# KiCad board AMC_FMC_Carrier-PcbDoc.kicad_pcb (continued)
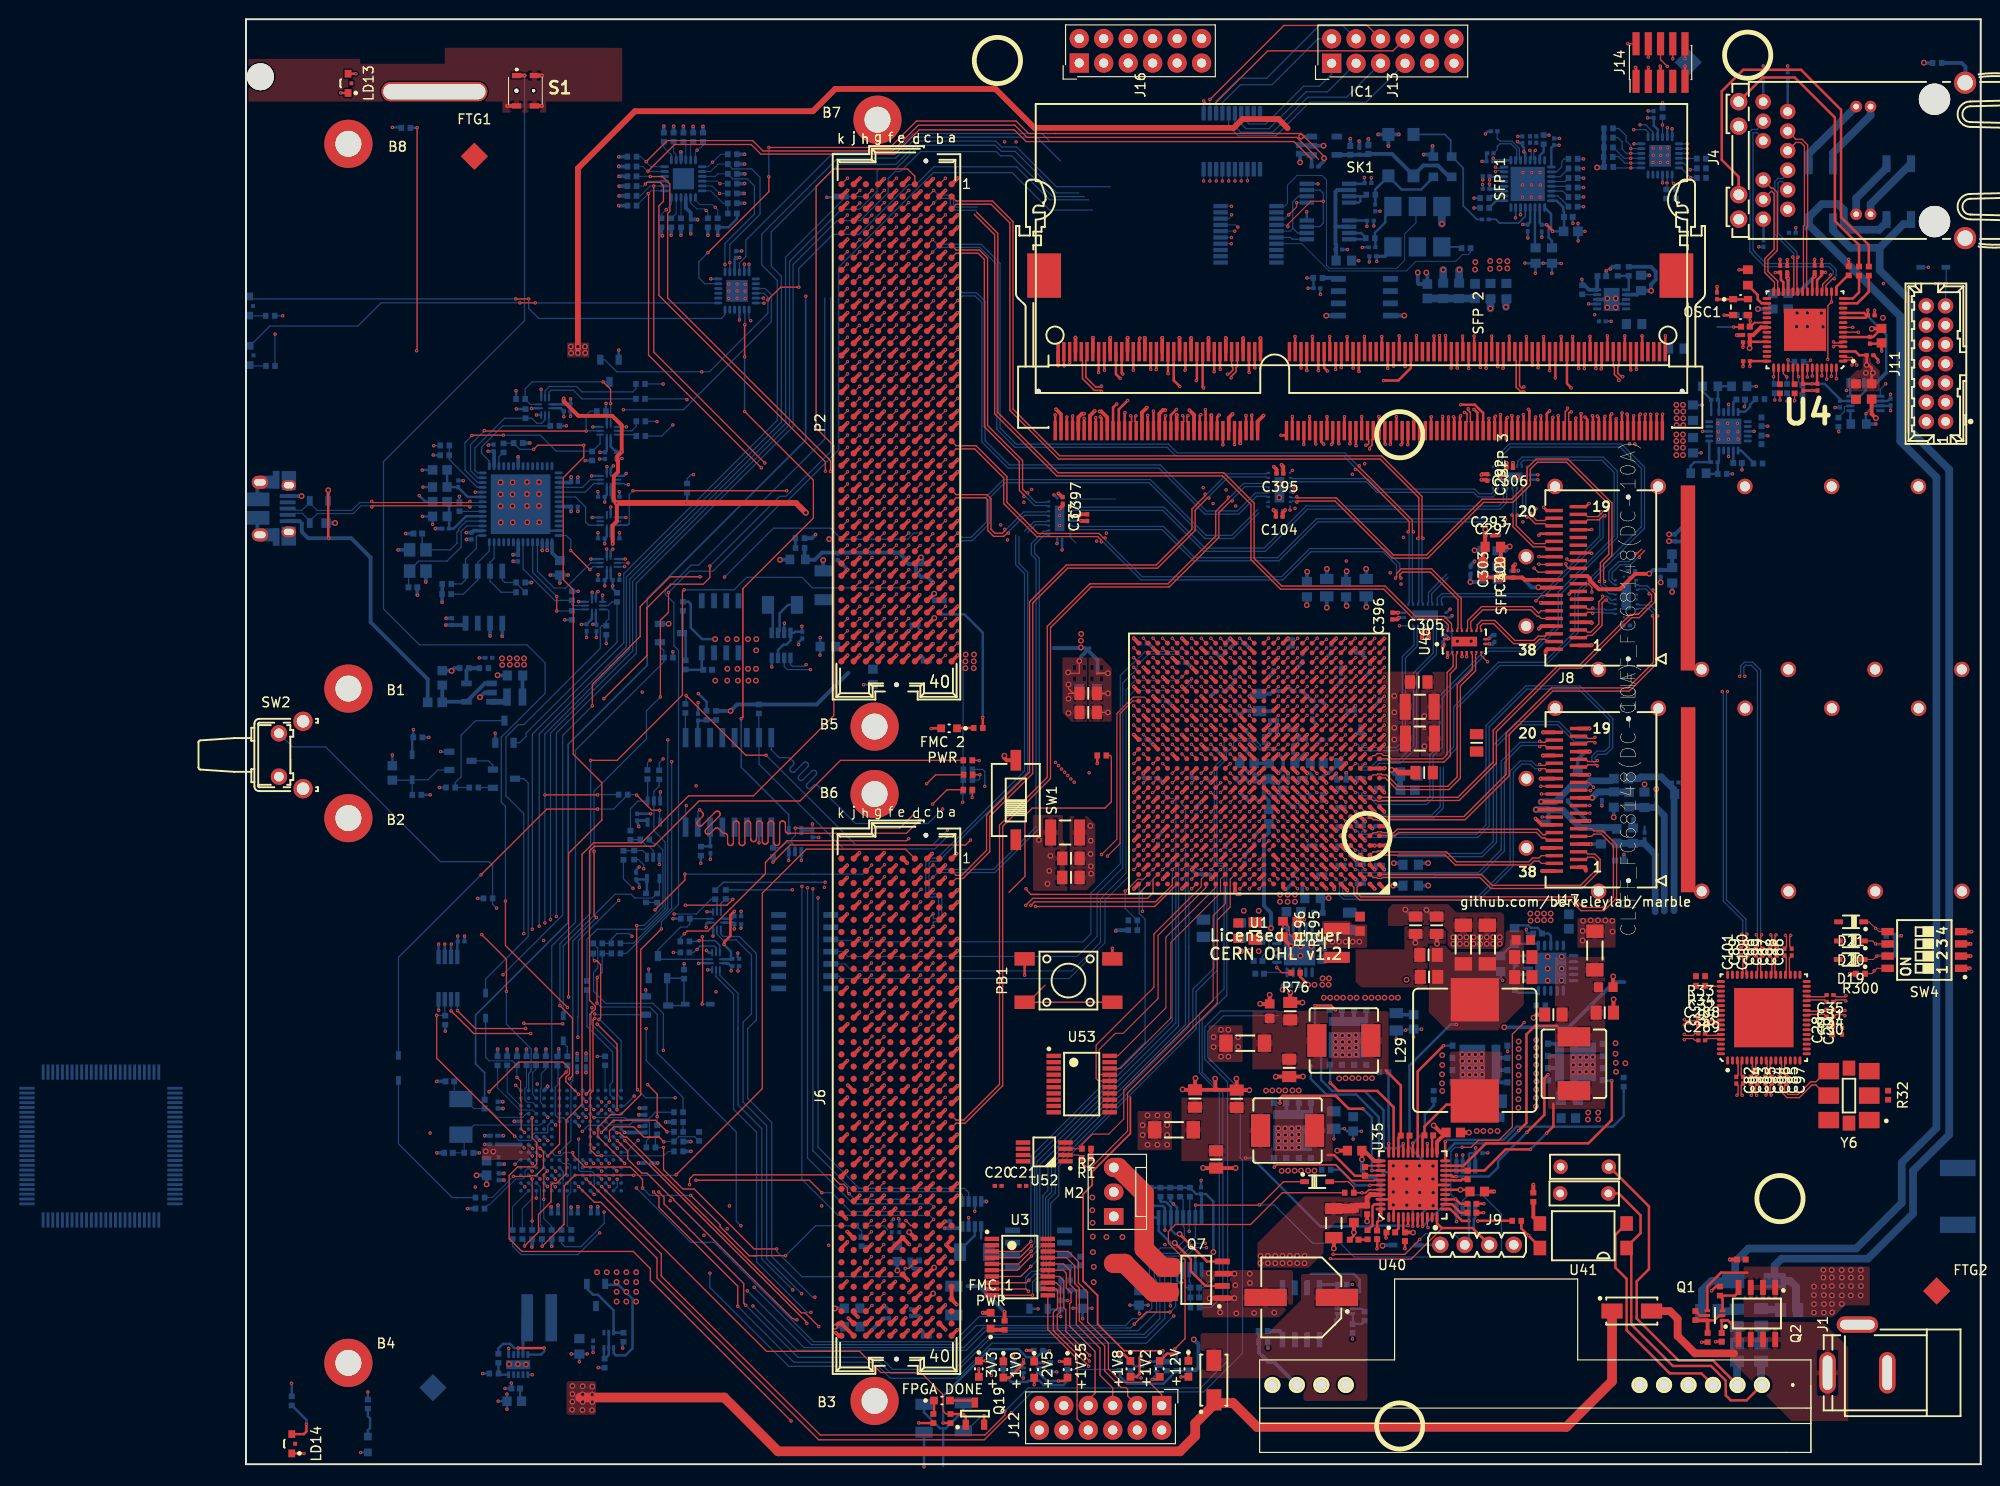
[diagram p0: board, top side]
## Routing (per net, layer and track width the routed paths; a pad name or vN(x,y) marks a point on that pad's centre or on a via; arc(x,y) is an arc through that point) (continued)
/FPGA/FPGA_PWR&MISC/FPGA_INIT: length 3.8
  Top w0.127: U1.G7 111.62,66.22 v1(112.09,65.75)
  In9.Cu w0.127: 76.83,70.2 v1(76.65,70.37)
  Bottom w0.13: v1(76.65,70.37) 76.65,71.92 76.45,72.13 R282.1
/FPGA/FPGA_REF_CLK0_N: length 2.6
  Top w0.13: C96.2 158.15,39.33 158.15,38.43 v1(158.26,38.32)
  Bottom w0.112: U20.5 133.33,135.45
  Bottom w0.13: U20.5 133.36,135.48 133.36,136.24 v1(133.21,136.39)
/FPGA/FPGA_REF_CLK0_P: length 2.6
  Top w0.13: C84.2 157.82,39.33 157.82,38.43 v1(157.71,38.32)
  Bottom w0.112: U20.6 133.66,135.45
  Bottom w0.13: v1(133.78,136.39) 133.63,136.24 133.63,135.48 U20.6
/FPGA/FPGA_REF_CLK1_N: length 4.5
  Bottom w0.112: R61.2 129.82,136.46 129.82,136.82
  Bottom w0.13: 129.82,136.82 129.87,136.82 130.12,137.08 131.26,137.08 131.86,136.47 131.86,135.48 U20.2
/FPGA/FPGA_REF_CLK1_P: length 4.8
  Bottom w0.112: 129.84,138.34 129.82,138.31 129.82,137.6
  Bottom w0.13: U20.3 132.13,135.48 132.13,136.58 131.37,137.35 130.14,137.35 129.89,137.6 129.82,137.6
/FPGA/FPGA_RESETn: length 13.3
  Top w0.102: 42.87,33.95 42.64,33.95
  Top w0.127: v1(37.72,33.59) 37.72,34.59 38.15,35.02 40.23,35.02 41.3,33.95 41.63,33.95 ; 41.63,33.95 42.87,33.95 v1(43.35,33.47) ; 41.63,33.95 42.64,33.95
  Bottom w0.102: v1(43.35,33.47) 43.38,33.49 R142.1
  Bottom w0.127: v1(37.72,33.59) 37.33,33.98 37.33,33.99 ; R159.2 46.99,33.56 46.56,33.99 44.89,33.99 44.41,33.51 R142.1
/FPGA/FPGA_TCK: length 67.7
  Top w0.102: U1.L8 v1(111.12,69.73)
  In2.Cu w0.127: v1(56.69,59.63) 57.91,58.41 59.97,58.41 61.03,59.48 61.03,62.45 62.39,63.81 71.15,63.81 ; v1(111.12,69.73) 110.74,70.11 94,70.11 93.98,70.08 93.57,70.08 93.53,70.12 86.62,70.12 v1(85.94,70.8)
  In4.Cu w0.127: 73.14,64.28 74.7,65.85 75.73,65.85 78.62,68.74 83.88,68.74 v1(85.94,70.8)
  Bottom w0.15: R229.1 56.68,59.62 v1(56.69,59.63)
/FPGA/FPGA_TDI: length 68.2
  Top w0.102: U1.R6 v1(113.12,74.73)
  In2.Cu w0.127: v1(113.12,74.73) 112.62,74.73 111.24,73.35 109.97,73.35 108.99,72.36 100.9,72.36 100.63,72.1 97.3,72.1 97.28,72.12 91.64,72.12 91.64,72.12 85.22,72.12 v1(84.94,71.84) ; v1(60.09,60.42) 60.09,62.8 62.99,65.7 67.18,65.7
  In4.Cu w0.127: 70.49,69.06 71.47,70.03 83.14,70.03 v1(84.94,71.84)
  Bottom w0.15: R215.1 48.71,59.59 49.52,60.4 58.94,60.4 ; 58.94,60.4 60.08,60.4 v1(60.09,60.42) ; 58.94,60.4 59.05,60.4
/FPGA/FPGA_TDO: length 77.2
  Top w0.102: U1.R7 v1(112.12,74.73)
  In2.Cu w0.127: v1(112.12,74.73) 111.49,74.1 109.98,74.1 108.98,73.1 101.12,73.1 100.39,72.36 84.85,72.36 84.65,72.16 v1(84.63,72.16) ; 66.98,66.51 62.74,66.51 59.69,63.47 59.69,60.21 v1(60.02,59.88)
  In4.Cu w0.102: v1(44.35,53.13) 44.9,52.57 52.62,52.57 59.12,59.06 59.12,59.23 59.77,59.88 v1(60.02,59.88)
  In4.Cu w0.127: 69.95,69.18 71.52,70.74 83.21,70.74 v1(84.63,72.16)
  Bottom w0.102: R216.1 v1(44.35,53.13)
/FPGA/FPGA_TMS: length 70.6
  Top w0.127: 53.59,61 53.77,61.18 ; 53.59,61 53.9,61.31 53.9,62.47 56.15,64.72 68.54,64.72 v1(68.75,64.94) ; 53.59,61 47.94,55.35 45.78,55.35 v1(45.48,55.06) ; U1.N8 110.62,72.23 v1(111.13,71.72)
  In2.Cu w0.127: v1(85.58,71.14) 86.36,71.14 87.13,70.36 93.83,70.36 93.86,70.34 94.68,70.34 94.69,70.35 94.66,70.36 99.3,70.36 99.31,70.38 101.31,70.38 101.5,70.57 101.5,70.77 101.86,71.14 110.3,71.14 110.88,71.72 v1(111.13,71.72) ; 68.75,64.99 v1(68.75,64.94)
  In4.Cu w0.127: 72.87,68.27 75.88,68.27 76.84,69.23 83.67,69.23 v1(85.58,71.14)
  Bottom w0.127: R228.1 45.07,54.65 v1(45.48,55.06)
/FPGA/FPGA_XR_GPIO_0: length 1.1
  Top w0.127: U35.9 122.58,24.63 v1(122.65,24.56)
/FPGA/I2C_APP_SCL: length 185.6
  In2.Cu w0.127: v1(58.82,59.73) 58.82,64.96 59.11,65.25 59.11,67.19 58.13,68.18 v1(58.13,83.01) 58.13,92.43 55.14,95.42 55.14,120.7 52.82,123.03 51.22,123.03 v1(49.7,124.54) 49.7,125.56 53.86,129.72 53.86,129.95 58.65,134.74 67.82,134.74 70.36,137.28 76.83,137.28 78.1,136.01 91.54,136.01 92.38,136.85
  Bottom w0.102: R57.1 48.94,133.95 48.69,133.69 U5.15
  Bottom w0.127: 49.7,124.66 49.7,126.73 52.75,129.78 52.75,132.71 52.02,133.43 50.49,133.43 50,133.93 R57.1 ; 49.7,124.66 v1(49.7,124.54) ; 49.7,124.66 U39.19 ; U34.19 145.48,138.3 145.24,138.54 v1(143.99,138.54) ; v1(58.13,83.01) 57.95,82.83 56.69,82.83 56.5,83.03 U32.5 ; v1(58.82,59.73) 58.82,32.55 63.08,28.3 73.99,28.3 74.33,27.95 U17.5
/FPGA/I2C_APP_SDA: length 188.7
  In2.Cu w0.127: 92.48,136.42 91.74,135.68 77.49,135.68 76.25,136.92 70.58,136.92 68.02,134.36 59.48,134.36 54.4,129.28 54.07,129.28 50.2,125.4 v1(50.2,124.73) 51.56,123.37 53.11,123.37 55.53,120.95 55.53,95.6 58.57,92.56 v1(58.57,82.49) 60.17,80.89 60.17,64.74 59.36,63.92 v1(59.36,58.8)
  Bottom w0.102: R75.1 48.97,134.97 48.19,134.19 U5.14
  Bottom w0.127: U34.20 145.98,138.3 145.23,139.05 v1(144.65,139.05) ; U17.6 74.98,28.19 74.53,28.64 63.62,28.64 59.36,32.91 v1(59.36,58.8) ; 50.2,124.28 U39.20 v1(50.2,124.73) 50.2,126.62 53.34,129.76 53.34,133.59 52.47,134.47 50.48,134.47 50,134.95 R75.1 ; U32.6 55.85,82.81 56.17,82.49 v1(58.57,82.49)
/FPGA/I2C_CLKMUX_SCL: length 77
  Top w0.127: v1(41.53,135.22) 43.71,137.4 52.58,137.4 53.65,136.33 67.09,136.33 69.77,139 79.78,139 81.05,137.73 109.03,137.73 111.29,135.47
  Bottom w0.102: R49.1 40.97,135.73 42,134.69 U5.6
/FPGA/I2C_CLKMUX_SDA: length 75.8
  Top w0.127: v1(41.7,134.23) 44.47,137 52.42,137 53.41,136.01 67.33,136.01 69.85,138.52 79.73,138.52 80.95,137.3 108.73,137.3 110.55,135.49
  Bottom w0.102: U5.5 41.69,134.19 41.17,134.71 R50.1
/FPGA/I2C_FPGA_SCL: length 100.1
  GND5.Cu w0.127: 38.71,72.84 38.71,71.92 38.67,71.88 v1(38.67,58.54) ; 38.71,72.84 38.71,76.09 42.09,79.47 42.09,115.36 ; 38.71,72.84 38.71,72.38 ; v1(34.44,44.31) 34.47,44.31 v1(36.45,42.33) ; v1(48.69,130.47) 48.69,127.84 48.6,127.75 48.6,125 42.09,118.48 42.09,115.36 ; 42.09,115.36 42.09,115.28
  Bottom w0.102: U5.19 46.64,131.23 47.12,130.75 48.41,130.75 v1(48.69,130.47) 48.94,130.22 R39.2
  Bottom w0.127: v1(38.67,58.54) 34.49,54.36 34.49,46.55 34.44,46.5 v1(34.44,44.31) ; v1(36.45,42.33) 36.46,42.35 R136.1
/FPGA/I2C_FPGA_SDA: length 104
  GND5.Cu w0.127: 41.6,115.33 41.6,118.84 47.23,124.46 47.23,129.37 47.75,129.89 v1(47.75,130.14) ; 41.6,115.33 41.6,115.23 ; 41.6,115.33 41.6,79.77 38.28,76.44 38.28,48.48 v1(41.53,45.23)
  Bottom w0.102: U5.20 46.14,130.94 46.76,130.32 47.57,130.32 47.93,129.96 R40.2
  Bottom w0.127: R135.1 45.35,38.08 41.53,41.9 v1(41.53,45.23) ; 47.8,130.09 v1(47.75,130.14)
/FPGA/I2C_FPGA_SW_RST: length 130.3
  In2.Cu w0.127: v1(41.12,80.15) 44.76,76.51 44.76,47.83 47.52,45.08 v1(47.52,23.76)
  In4.Cu w0.127: v1(47.52,23.76) 47.55,23.74 61.24,23.74 63.87,21.11
  GND5.Cu w0.127: v1(43.61,130.24) 43.61,122.04 40.97,119.4 40.97,80.31 v1(41.12,80.15)
  Bottom w0.102: R41.2 43.1,129.73 v1(43.61,130.24) 44.14,130.77 U5.24
/FPGA/I2C_HDMI_SCL: length 3
  Bottom w0.102: R83.1 v1(49.15,131.92) 48.37,132.69 U5.17
/FPGA/I2C_HDMI_SDA: length 2.8
  Bottom w0.102: R91.1 v1(49.18,132.93) 49.18,132.95 48.94,133.19 U5.16
/FPGA/PROG_B: length 62.9
  Top w0.102: U1.P6 v1(113.12,73.73)
  Top w0.127: PB1.2 PB1.1 81.14,47.96 82.9,49.72 ; 79.17,59.38 80.82,61.03 80.82,67.35 81.59,68.11 89.13,68.11 89.79,68.77 89.79,73.47 89.69,73.57 R160.2
  In2.Cu w0.127: v1(87.48,71.78) 87.52,71.74 90.5,71.74 90.88,71.36 100.49,71.36 101.23,72.1 109.18,72.1 110.1,73.02 112.41,73.02 v1(113.12,73.73)
/FPGA/QSFP1_INT: length 78.1
  Top w0.127: v1(134.41,69.59) 134.43,69.57 J17.28
  In7.Cu w0.127: v1(134.41,69.59) 134.66,69.59 135.73,70.66 135.73,73.96 140.05,78.27 140.92,78.27 149.4,86.76 149.4,95.44 153.14,99.18 153.14,108.57 153.03,108.67 153.03,125.77 150.29,128.51 150.29,133.95 v1(149.86,134.38)
  Bottom w0.127: R304.1 150.41,134.38 v1(149.86,134.38) 149.17,135.07 U34.5
/FPGA/QSFP1_LPMODE: length 86.1
  Top w0.102: J17.31 134.51,67.17 v1(134.5,67.18)
  In7.Cu w0.127: v1(134.5,67.18) 139.56,67.18 140.23,67.85 140.23,70.81 141.7,72.28 141.7,73.24 145.21,76.75 145.21,79.37 151.2,85.36 151.2,93.72 154.33,96.84 154.33,102.07 154.66,102.4 154.66,105.2 155.16,105.7 155.16,109.01 154.99,109.18 154.99,116.99 155.04,117.04 155.04,118.31 154.53,118.81 154.53,126.89 151.86,129.56 151.86,134.46 150.77,135.56 v1(149.58,135.56)
  Bottom w0.127: U34.4 149.56,135.57 v1(149.58,135.56) 150.52,135.56 R305.1
/FPGA/QSFP1_MOD_PRS: length 75.8
  Top w0.127: J17.27 v1(134.36,70.37)
  In7.Cu w0.127: v1(134.36,70.37) 134.61,70.37 135.35,71.12 135.35,74.08 139.9,78.63 140.59,78.63 148.97,87.01 148.97,95.65 152.19,98.87 152.19,125.82 149.91,128.11 v1(149.91,133.57)
  Bottom w0.127: R303.1 150.52,133.57 v1(149.91,133.57) 148.91,134.57 U34.6
/FPGA/QSFP1_MOD_SEL: length 83.2
  Top w0.127: v1(139.45,67.58) 139.45,67.57 J17.8
  In7.Cu w0.127: v1(147.44,133.01) 147.44,134 148.18,134.74 150.29,134.74 150.8,134.23 150.8,128.77 153.72,125.85 153.72,113.22 153.49,112.99 153.49,108.42 153.41,108.34 153.41,106.85 153.47,106.79 153.47,98.43 149.7,94.66 149.7,86.3 141.09,77.69 140.13,77.69 138.22,75.78 138.22,68.56 139.2,67.58 v1(139.45,67.58)
  Bottom w0.127: U34.8 147.48,133.05 v1(147.44,133.01) 147.44,132.4 R301.2
/FPGA/QSFP1_RST: length 85.8
  Top w0.127: J17.9 139.44,68.37 v1(139.44,68.38)
  In7.Cu w0.127: v1(139.44,68.38) 139.19,68.38 138.91,68.66 138.91,75.38 140.46,76.93 141.15,76.93 150.54,86.33 150.54,94.55 153.84,97.86 153.84,103.88 154.17,104.2 154.17,106.23 154.38,106.44 154.38,117.02 154.03,117.37 154.03,119.55 154.02,119.55 154.02,126.3 151.25,129.07 151.25,134.43 150.57,135.12 148,135.12 146.61,133.72 146.61,132.71 146.89,132.43 147.6,132.43 v1(148.13,132.96)
  Bottom w0.127: U34.7 147.98,133.11 v1(148.13,132.96) 148.13,132.57 R302.2
/FPGA/QSFP1_RX_0_N: length 35.9
  Top w0.127: U1.E3 v1(116.12,63.73)
  Top w0.13: J17.18 138.99,75.57 139.23,75.34 139.86,75.34 v1(139.97,75.45)
  Bottom w0.13: 119.62,63.4 128.16,63.4 129.42,64.67 129.42,74.64 131.88,77.1 136.22,77.1 137.97,75.34 139.86,75.34 v1(139.97,75.45) ; 116.12,63.73 115.85,63.73 115.78,63.67 115.78,63.51 115.89,63.4
/FPGA/QSFP1_RX_0_P: length 36.4
  Top w0.127: U1.E4 v1(115.12,63.73)
  Top w0.13: v1(139.97,74.9) 139.86,75.01 139.23,75.01 138.99,74.77 J17.17
  Bottom w0.13: 119.49,63.07 128.29,63.07 129.75,64.53 129.75,74.5 132.02,76.77 136.08,76.77 137.84,75.01 139.86,75.01 v1(139.97,74.9) ; 115.12,63.73 115.38,63.73 115.45,63.66 115.45,63.37 115.76,63.07
/FPGA/QSFP1_RX_1_N: length 32.4
  Top w0.127: U1.C3 v1(116.12,61.73)
  Top w0.13: v1(134.24,75.05) 134.35,74.94 134.8,74.94 135.03,75.17 J17.21
  Bottom w0.13: v1(134.24,75.05) 134.13,74.94 132.2,74.94 130.25,72.99 130.25,63.79 127.88,61.43 123.28,61.43 123.25,61.39 115.88,61.39 115.77,61.5 115.77,61.66 115.84,61.73 116.11,61.73
/FPGA/QSFP1_RX_1_P: length 33
  Top w0.127: U1.C4 v1(115.12,61.73)
  Top w0.13: v1(134.24,74.5) 134.35,74.61 134.8,74.61 135.03,74.37 J17.22
  Bottom w0.13: v1(134.24,74.5) 134.13,74.61 132.33,74.61 130.57,72.85 130.57,63.65 128.02,61.1 123.42,61.1 123.39,61.06 115.74,61.06 115.44,61.37 115.44,61.65 115.37,61.73 115.11,61.73
/FPGA/QSFP1_RX_2_N: length 36.3
  Top w0.127: U1.B5 v1(114.12,60.73)
  Top w0.13: J17.24 135.03,72.77 134.8,72.54 134.35,72.54 v1(134.24,72.65)
  Bottom w0.13: v1(134.24,72.65) 134.13,72.54 133.86,72.54 133.4,73 132.22,73 131.16,71.95 131.16,62.25 127.9,58.98 114.01,58.98 113.78,59.21 113.78,60.4 v1(114.12,60.73)
/FPGA/QSFP1_RX_2_P: length 36.8
  Top w0.127: U1.B6 v1(113.12,60.73)
  Top w0.13: v1(134.24,72.1) 134.35,72.21 134.8,72.21 135.03,71.97 J17.25
  Bottom w0.13: v1(134.24,72.1) 134.13,72.21 133.72,72.21 133.26,72.67 132.35,72.67 131.5,71.81 131.5,62.11 128.04,58.65 113.88,58.65 113.45,59.07 113.45,60.4 v1(113.12,60.73)
/FPGA/QSFP1_RX_3_N: length 49
  Top w0.13: J17.15 138.99,73.17 139.23,72.94 140.12,72.94 v1(140.23,73.05) ; U1.G3 v1(116.12,65.73)
  Bottom w0.13: v1(140.23,73.05) 140.14,73.05 139.98,73.21 139.98,73.35 140.32,73.7 141.14,73.7 141.81,74.37 141.81,77.4 138.42,80.8 132.78,80.8 128.66,76.68 128.66,66.38 127.68,65.4 115.89,65.4 115.78,65.5 115.78,65.66 115.85,65.73 116.12,65.73
/FPGA/QSFP1_RX_3_P: length 49.6
  Top w0.13: v1(140.23,72.5) 140.12,72.61 139.23,72.61 138.99,72.37 J17.14 ; U1.G4 v1(115.12,65.73)
  Bottom w0.13: v1(140.23,72.5) 139.65,73.08 139.65,73.49 140.18,74.03 141,74.03 141.48,74.51 141.48,77.26 138.28,80.47 132.92,80.47 129,76.54 129,66.24 127.82,65.07 115.76,65.07 115.45,65.37 115.45,65.65 115.38,65.73 115.12,65.73
/FPGA/QSFP1_TX_0_N: length 18.8
  Top w0.13: J17.37 134.41,62.37 134.17,62.61 133.65,62.61 133.25,62.21 125.47,62.21 124.45,63.23 U1.D1
/FPGA/QSFP1_TX_0_P: length 20
  Top w0.13: U1.D2 116.95,63.56 117.33,63.56 117.42,63.65 117.82,63.65 117.91,63.56 124.58,63.56 125.61,62.54 133.11,62.54 133.51,62.94 134.17,62.94 134.41,63.17 J17.36
/FPGA/QSFP1_TX_1_N: length 26.8
  Top w0.13: U1.B1 128.18,61.23 129.32,60.1 138.48,60.1 140.18,61.8 140.18,62.66 139.84,63.01 139.23,63.01 138.99,62.77 J17.2
/FPGA/QSFP1_TX_1_P: length 29.1
  Top w0.13: U1.B2 116.95,60.9 117.33,60.9 117.42,60.81 117.82,60.81 117.91,60.9 128.05,60.9 129.18,59.77 138.62,59.77 140.52,61.66 140.52,62.8 139.97,63.34 139.23,63.34 138.99,63.57 J17.3
/FPGA/QSFP1_TX_2_N: length 38.2
  Top w0.13: J17.5 139.62,65.17 139.85,65.41 140.64,65.41 141.89,64.16 141.89,58.9 140.78,57.8 138.75,57.8 137.65,58.9 115.69,58.9 115.28,59.3 115.28,59.9 U1.A3
/FPGA/QSFP1_TX_2_P: length 39.9
  Top w0.13: U1.A4 114.95,59.9 114.95,59.16 115.55,58.57 137.42,58.57 138.52,57.47 140.92,57.47 142.22,58.76 142.22,64.3 140.77,65.74 139.85,65.74 139.62,65.97 J17.6
/FPGA/QSFP1_TX_3_N: length 18.6
  Top w0.13: J17.34 135.03,64.77 134.8,65.01 134.47,65.01 133.89,65.59 119.6,65.59 119.24,65.23 U1.F1
/FPGA/QSFP1_TX_3_P: length 19.8
  Top w0.13: U1.F2 116.95,65.56 117.33,65.56 117.42,65.65 117.82,65.65 117.91,65.56 119.11,65.56 119.46,65.92 134.03,65.92 134.6,65.34 134.8,65.34 135.03,65.57 J17.33
/FPGA/QSFP2_INT: length 16
  Top w0.127: J8.28 134.08,92.6 ; 134.08,92.6 134.05,92.63 ; 134.08,92.6 v1(133.65,93.03)
  In7.Cu w0.127: 137.61,101.49 137.61,100.14 134.87,97.4 134.87,93.65 134.25,93.03 v1(133.65,93.03)
  Bottom w0.127: U34.14 143.68,135.07 v1(143.68,135.07) 143.09,135.07 142.41,135.75 141.84,135.75
/FPGA/QSFP2_LPMODE: length 18.6
  Top w0.102: J8.31 134.42,90.2 v1(133.85,89.63)
  In7.Cu w0.127: v1(133.85,89.63) 135.43,91.21 135.43,96.99 137.97,99.53 137.97,101.49
  Bottom w0.127: U34.13 143.7,134.57 v1(143.7,134.56) 141.89,134.56 141.84,134.62
/FPGA/QSFP2_MOD_PRS: length 17.5
  Top w0.127: v1(134.15,93.43) 134.18,93.4 J8.27
  In7.Cu w0.127: 138.53,104.03 137.13,102.63 137.13,100.17 134.49,97.53 134.49,93.77 v1(134.15,93.43)
  Bottom w0.127: 141.84,136.75 141.84,136.73 143,135.57 v1(143.68,135.57) 143.69,135.57 U34.15
/FPGA/QSFP2_MOD_SEL: length 5.4
  Top w0.254: v1(137.29,90.33) 137.56,90.6 J8.8
  Bottom w0.127: U34.17 v1(143.7,136.57) 143.7,136.88 143.2,137.38 143.2,137.9 142.44,138.67 141.84,138.67
/FPGA/QSFP2_RST: length 17.5
  Top w0.127: v1(139.65,90.53) 139.65,91.02 139.27,91.4 J8.9
  In7.Cu w0.127: 138.4,101.44 138.4,91.78 v1(139.65,90.53)
  Bottom w0.127: U34.16 143.71,136.07 v1(143.7,136.09) 143.23,136.09 142.79,136.52 142.79,137.27 142.34,137.73 141.84,137.73
/FPGA/QSFP2_RX_0_N: length 25.5
  Top w0.13: v1(140.6,98.85) 140.6,98.7 140.26,98.37 139.21,98.37 138.97,98.6 J8.18
  Bottom w0.13: v1(140.6,98.85) 140.6,98.61 140.47,98.49 140.47,96.35 137.35,93.22 137.35,93.2 137.17,93.02 137.15,93.02 134.5,90.38 124.07,90.38 123.61,89.91 U48.18
/FPGA/QSFP2_RX_0_P: length 25.5
  Top w0.13: v1(140.98,98.47) 140.83,98.47 140.4,98.04 139.21,98.04 138.97,97.8 J8.17
  Bottom w0.13: v1(140.98,98.47) 140.83,98.47 140.8,98.44 140.8,96.21 134.64,90.05 124.21,90.05 124.03,89.86 124.03,89.5 124.11,89.41 U48.19
/FPGA/QSFP2_RX_1_N: length 5.9
  Top w0.13: J8.21 135.01,98.2 134.78,97.97 133.9,97.97 133.31,98.56 v1(133.31,98.71)
  Bottom w0.13: v1(133.31,98.71) 133.16,98.71 132.8,99.07 132.8,101.1 132.89,101.18 U50.12
/FPGA/QSFP2_RX_1_P: length 6.4
  Top w0.13: J8.22 135.01,97.4 134.78,97.64 133.77,97.64 133.08,98.32 v1(132.92,98.32)
  Bottom w0.13: U50.13 132.39,101.18 132.47,101.1 132.47,98.93 132.92,98.48 v1(132.92,98.32)
/FPGA/QSFP2_RX_2_N: length 8.8
  Top w0.13: J8.24 135.01,95.8 134.78,95.57 133.69,95.57 131.8,97.45 131.8,98.43 v1(131.91,98.54)
  Bottom w0.13: U50.14 131.89,101.18 131.8,101.1 131.8,98.65 v1(131.91,98.54)
/FPGA/QSFP2_RX_2_P: length 9.4
  Top w0.13: J8.25 135.01,95 134.78,95.24 133.55,95.24 131.47,97.31 131.47,98.43 v1(131.36,98.54)
  Bottom w0.13: v1(131.36,98.54) 131.47,98.65 131.47,101.1 131.39,101.18 U50.15
/FPGA/QSFP2_RX_3_N: length 4
  Bottom w0.13: U48.16 122.61,89.41 122.69,89.5 122.69,90.5 124.59,92.4
/FPGA/QSFP2_RX_3_P: length 3.6
  Bottom w0.13: 124.73,92.07 123.03,90.36 123.03,89.5 123.11,89.41 U48.17
/FPGA/QSFP2_TX_0_N: length 9.4
  Top w0.13: U46.12 128.17,86.67 128.09,86.76 128.09,87 128.34,87.26 129.45,87.26 131.52,85.19 133.77,85.19 134.22,85.64 134.78,85.64 135.01,85.4 J8.37
/FPGA/QSFP2_TX_0_P: length 10
  Top w0.13: J8.36 135.01,86.2 134.78,85.97 134.08,85.97 133.63,85.52 131.66,85.52 129.59,87.59 128.2,87.59 127.75,87.14 127.75,86.76 127.67,86.67 U46.13
/FPGA/QSFP2_TX_1_N: length 7
  Top w0.13: v1(141.16,89.71) 141.01,89.71 140.71,89.4 140.71,87.08 139.66,86.04 139.21,86.04 138.97,85.8 J8.2
  Bottom w0.13: U49.14 141.95,89.27 141.86,89.36 141.51,89.36 v1(141.16,89.71)
/FPGA/QSFP2_TX_1_P: length 7.2
  Top w0.13: v1(140.77,90.09) 140.77,89.94 140.37,89.54 140.37,87.22 139.52,86.37 139.21,86.37 138.97,86.6 J8.3
  Bottom w0.13: v1(140.77,90.09) 141.24,90.09 141.29,90.05 141.33,90.05 141.5,89.87 141.5,89.83 141.65,89.69 141.86,89.69 141.95,89.77 U49.15
/FPGA/QSFP2_TX_2_N: length 4.1
  Top w0.13: v1(139.74,88.33) 139.63,88.44 139.21,88.44 138.97,88.2 J8.5
  Bottom w0.13: v1(139.74,88.33) 139.85,88.44 140.83,88.44 140.91,88.36 141.86,88.36 141.95,88.27 U49.12
/FPGA/QSFP2_TX_2_P: length 4.1
  Top w0.13: v1(139.74,88.88) 139.63,88.77 139.21,88.77 138.97,89 J8.6
  Bottom w0.13: U49.13 141.95,88.77 141.86,88.69 141.05,88.69 140.97,88.77 139.85,88.77 v1(139.74,88.88)
/FPGA/QSFP2_TX_3_N: length 10.5
  Top w0.13: U46.14 127.17,86.67 127.09,86.76 127.09,87.44 128.34,88.7 133.31,88.7 133.97,88.04 134.15,88.04 134.38,87.8 J8.34
/FPGA/QSFP2_TX_3_P: length 11.1
  Top w0.13: U46.15 126.67,86.67 126.75,86.76 126.75,87.58 128.2,89.03 133.45,89.03 134.11,88.37 134.15,88.37 134.38,88.6 J8.33
/FPGA/Self_FPGA_TCK: length 61.7
  In2.Cu w0.127: v1(59.03,17.34) 60.68,15.69 75.84,15.69
  Bottom w0.127: U8.8 49.27,55.03 49.52,54.78 51.2,54.78 52.96,53.03 52.96,46.12 52.05,45.22 ; 52.05,45.22 52.05,45.15 ; 52.05,45.22 52.05,37.98 54.56,35.47 54.56,21.56 58.78,17.34 v1(59.03,17.34)
/FPGA/Self_FPGA_TDI: length 65.7
  In2.Cu w0.127: v1(57.66,17.69) 57.66,15.97 58.53,15.09 58.53,14.69 60.1,13.12 61.97,13.12 63.13,14.28 65.11,14.28 65.12,14.27 69.85,14.27 69.86,14.28 70.19,14.28 70.2,14.27 71.12,14.27 71.13,14.28 71.46,14.28 71.47,14.27 72.39,14.27 72.43,14.3 72.75,14.3 72.76,14.29 73.64,14.29 73.65,14.3 73.97,14.3 73.98,14.29 76.11,14.29 76.34,14.52 76.6,14.52
  Bottom w0.127: U8.9 48.87,55.03 49.47,54.42 50.87,54.42 52.45,52.85 52.45,46.75 51.58,45.89 51.58,37.58 54.02,35.14 54.02,21.33 v1(57.66,17.69)
/FPGA/Self_FPGA_TDO: length 57.9
  In2.Cu w0.127: v1(58.62,15.76) 59.65,14.74 76.24,14.74
  Bottom w0.127: U9.9 48.77,50.63 50.59,48.8 50.59,36.85 52.98,34.46 52.98,21 58.21,15.76 v1(58.62,15.76)
/FPGA/Self_FPGA_TMS: length 36.5
  Bottom w0.127: v1(56.74,18.1) 53.51,21.32 53.51,34.84 51.05,37.3 51.05,45.25 ; 51.05,45.25 51.05,45.13 ; 51.05,45.25 51.05,48.87 49.17,50.76 U9.8
/FPGA/SI570_CLK_N: length 7.1
  Top w0.13: Y6.5 164,38.27 162.9,39.37 162.5,39.37 161.18,38.05 159.9,38.05 159.33,38.62 159.33,39.32 C85.2
/FPGA/SI570_CLK_P: length 6.6
  Top w0.13: Y6.4 164,40.81 162.9,39.7 162.36,39.7 161.04,38.38 160.03,38.38 159.66,38.76 159.66,39.32 C97.2
/FPGA/VCXO_EN: length 31.4
  Bottom w0.102: U42.1 107.77,130.6 108.06,130.89 108.06,132.78 109.06,133.78 111.66,133.78 112.12,133.32 112.12,124.45 112.42,124.15 119.39,124.15 120.23,124.98 120.23,127.71 121.4,128.89
  Bottom w0.127: 121.4,128.89 121.4,130.43 Y3.2
/FPGA/VREF_DDR3: length 11.8
  Top w0.11: U1.W8 v1(111.12,78.73) ; U1.AE11 v1(108.12,84.73) ; U1.AE16 v1(102.12,84.73) ; U1.Y18 v1(100.12,79.73)
  Top w0.2: U1.AD3 v1(116.12,83.73) ; U1.W4 v1(115.12,78.73)
  Top w0.254: v1(123.83,117.16) 123.84,117.15 123.84,115.53 ; SK1.1 83.97,108.91 v1(83.96,108.92)
  Bottom w0.4: v1(100.12,79.73) 100.62,80.23 C16.1 ; v1(102.12,84.73) 102.62,85.23 C15.1 ; C17.1 108.3,84.91 v1(108.12,84.73) ; v1(116.12,83.73) 115.92,83.93 C14.1 ; v1(111.12,78.73) 110.61,78.22 C19.1 ; C18.1 115.03,78.64 v1(115.12,78.73)
/FPGA/WR_DAC1_SYNC: length 4.1
  Top w0.102: v1(108.19,129.7) 109.02,130.53 v1(109.02,130.97)
  Bottom w0.102: v1(108.19,129.7) 107.79,129.3 U42.3
  Bottom w0.127: U19.5 109.02,130.97 v1(109.02,130.97)
/FPGA/WR_DAC2_SYNC: length 3.2
  Bottom w0.127: U42.6 108.37,127.35 108.56,127.16 U16.5
/FPGA/WR_DAC_DIN: length 13
  Top w0.102: v1(111.79,131.11) 110.5,131.11 108.11,128.72 v1(108.11,128.48)
  Bottom w0.102: v1(108.11,128.48) 107.94,128.65 U42.4
  Bottom w0.127: U16.7 111.4,128.46 111.79,128.85 v1(111.79,131.11) 111.79,131.92 111.44,132.27 U19.7
/FPGA/WR_DAC_SCLK: length 7.9
  Bottom w0.102: U42.5 108.34,128 108.61,128.28 108.61,128.31
  Bottom w0.127: U16.6 109.12,127.81 108.61,128.31 108.61,131.04 109.19,131.62 U19.6
/FPGA_RTS: length 47
  Top w0.102: U1.M16 102.62,71.24 v1(102.13,71.73)
  Top w0.127: v1(56.11,101.06) v1(40.15,101.06)
  In7.Cu w0.127: v1(56.11,101.06) 56.11,98.72 61.19,93.64
  In9.Cu w0.102: v1(102.13,71.73) 101.88,71.73 101.48,71.33 101.48,68.57 101.29,68.38 90.33,68.38
  Bottom w0.118: U15.5 39.54,97.48
  Bottom w0.127: 39.76,97.64 39.75,97.63 ; 39.76,97.64 39.6,97.48 39.45,97.48 ; 39.76,97.64 39.76,100.66 v1(40.15,101.06) ; 39.45,97.48 U15.5 ; 39.45,97.48 39.27,97.48
/FPGA_RxD: length 37.4
  Top w0.102: U1.K15 v1(103.12,68.73)
  In7.Cu w0.127: 58.95,93.31 50.57,101.69 v1(39.67,101.69)
  In9.Cu w0.102: v1(103.12,68.73) 102.87,68.73 102.26,68.11 90.64,68.11
  Bottom w0.127: v1(39.67,101.69) 39.32,101.69 39.21,101.8 U38.5
/FPGA_TxD: length 18
  Top w0.11: U1.C16 v1(102.12,61.73)
  In9.Cu w0.11: 90.6,67.16 102.22,67.16 102.48,66.9 102.48,62.09 v1(102.12,61.73)
/I2C_MUX/QSFP1_SCL: length 3.3
  Top w0.102: v1(139.52,69.93) 139.47,69.97 J17.11
  Bottom w0.102: R53.1 46.14,137.02 U5.11
/I2C_MUX/QSFP1_SDA: length 3.8
  Top w0.102: v1(139.82,70.28) 139.33,70.77 J17.12
  Bottom w0.102: R54.1 45.64,137.04 U5.10
/I2C_MUX/QSFP2_SCL: length 75.8
  Top w0.127: v1(136.95,93.49) 136.95,93.26 137.22,93 J8.11
  In4.Cu w0.102: 117.32,137.48 82.83,137.48 81.48,138.83 70.79,138.83 67.28,135.32 48.56,135.32 v1(48.41,135.17)
  Bottom w0.102: R55.1 49.25,135.98 47.96,134.69 U5.13
/I2C_MUX/QSFP2_SDA: length 76.6
  Top w0.127: v1(137.06,93.97) 137.06,93.96 137.22,93.8 J8.12
  In4.Cu w0.102: 117.5,137.81 82.95,137.81 81.63,139.13 70.48,139.13 66.9,135.55 47.67,135.55 v1(46.81,136.41)
  Bottom w0.102: R56.1 47.42,136.9 47.19,136.67 47.06,136.67 46.63,136.24 46.63,135.58 46.64,135.57 U5.12
/JTAG/FMC1_TDI_R: length 2.9
  Bottom w0.127: U10.1 41.6,63.28 41.17,63.71 R277.2 40.26,63.68 R237.2
/JTAG/FMC1_TDO_R: length 3.6
  Bottom w0.127: U10.2 42.25,63.71 41.81,64.15 41.59,64.15 40.9,64.84 R278.2 40.88,64.84 R238.2
/JTAG/FMC2_TDI_R: length 6.7
  Bottom w0.127: R279.2 41.68,71.1 U7.1 40.68,68.84 39.89,68.05 R238.1
/JTAG/FMC2_TDO_R: length 27.9
  Bottom w0.127: 42.85,71.1 R280.2 42.87,70.4 42.33,69.85 U7.2 42.33,65.76 43.49,64.6 43.49,57.69 41.35,55.54 36.45,55.54 35.38,54.47 R275.1
/JTAG/JTAG_TCK: length 120.5
  Top w0.127: v1(50.52,58.64) 49.91,58.03 v1(45.59,58.03)
  GND5.Cu w0.127: v1(45.59,58.03) 40.2,63.42 40.2,74.86 43.93,78.59 43.93,84.8 44.47,85.34 44.47,107.71 v1(44.29,107.89) 44.29,115.77 49.94,121.41 50.26,121.41 50.45,121.61 50.45,122.54 50.77,122.86 51.12,122.86 61.01,132.76 84.58,132.76
  Bottom w0.127: v1(44.29,107.89) 43.14,106.73 R230.2 ; R229.2 50.48,58.68 v1(50.52,58.64)
  Bottom w0.15: U8.5 49.27,58.18 49.76,58.68 R229.2
/JTAG/JTAG_TDI: length 122.2
  GND5.Cu w0.127: v1(44.42,57.12) 39.19,62.35 39.19,75.58 42.64,79.04 v1(42.64,108.23) 42.62,108.26 42.62,118.03 50.9,126.31 51.42,126.31 59.23,134.13 83.28,134.13 85.26,136.11
  Bottom w0.127: v1(44.42,57.12) 46.72,57.12 48.25,58.65 R215.2 ; v1(42.64,108.23) 42.62,108.26 R231.2
  Bottom w0.15: U8.4 48.87,58.47 R215.2
/JTAG/JTAG_TDO: length 124.7
  GND5.Cu w0.127: 51.1,124.51 49.72,123.13 49.72,122.35 43.29,115.92 v1(43.29,112.13) 43.29,79.86 43.34,79.81 43.34,78.84 39.7,75.2 39.7,62.42 46.28,55.85 46.28,54.65 ; 51.1,124.51 51.98,125.39 51.98,126.06 58.98,133.06 83.21,133.06 85.7,135.55 ; 51.1,124.51 51.36,124.76 ; 46.28,54.65 46.28,53.96 v1(46.81,53.43) ; 46.28,54.65 46.28,54.24
  Bottom w0.127: 46.76,53.43 v1(46.81,53.43) ; R233.2 43.28,112.14 v1(43.29,112.13)
  Bottom w0.15: U9.4 48.77,53.61 48.59,53.79 47.11,53.79 46.45,53.13 R216.2
/JTAG/JTAG_TMS: length 119.9
  GND5.Cu w0.127: 84.38,131.59 62.2,131.59 51.98,121.36 51.51,121.36 51.32,121.17 51.32,120.78 45.76,115.22 v1(45.76,110.52) 44.71,109.48 44.71,78.34 40.89,74.51 40.89,66.75 46.84,60.8 46.84,54.52 v1(47.02,54.35)
  Bottom w0.127: v1(45.76,110.52) 45.68,110.59 R232.2 ; 46.73,54.27 46.73,54.31 46.77,54.35 v1(47.02,54.35)
  Bottom w0.15: R228.2 46.73,54.27 46.81,54.35 48.68,54.35 49.17,53.86 U9.5
